# KiCad board evr-fmc.kicad_pcb (continued)
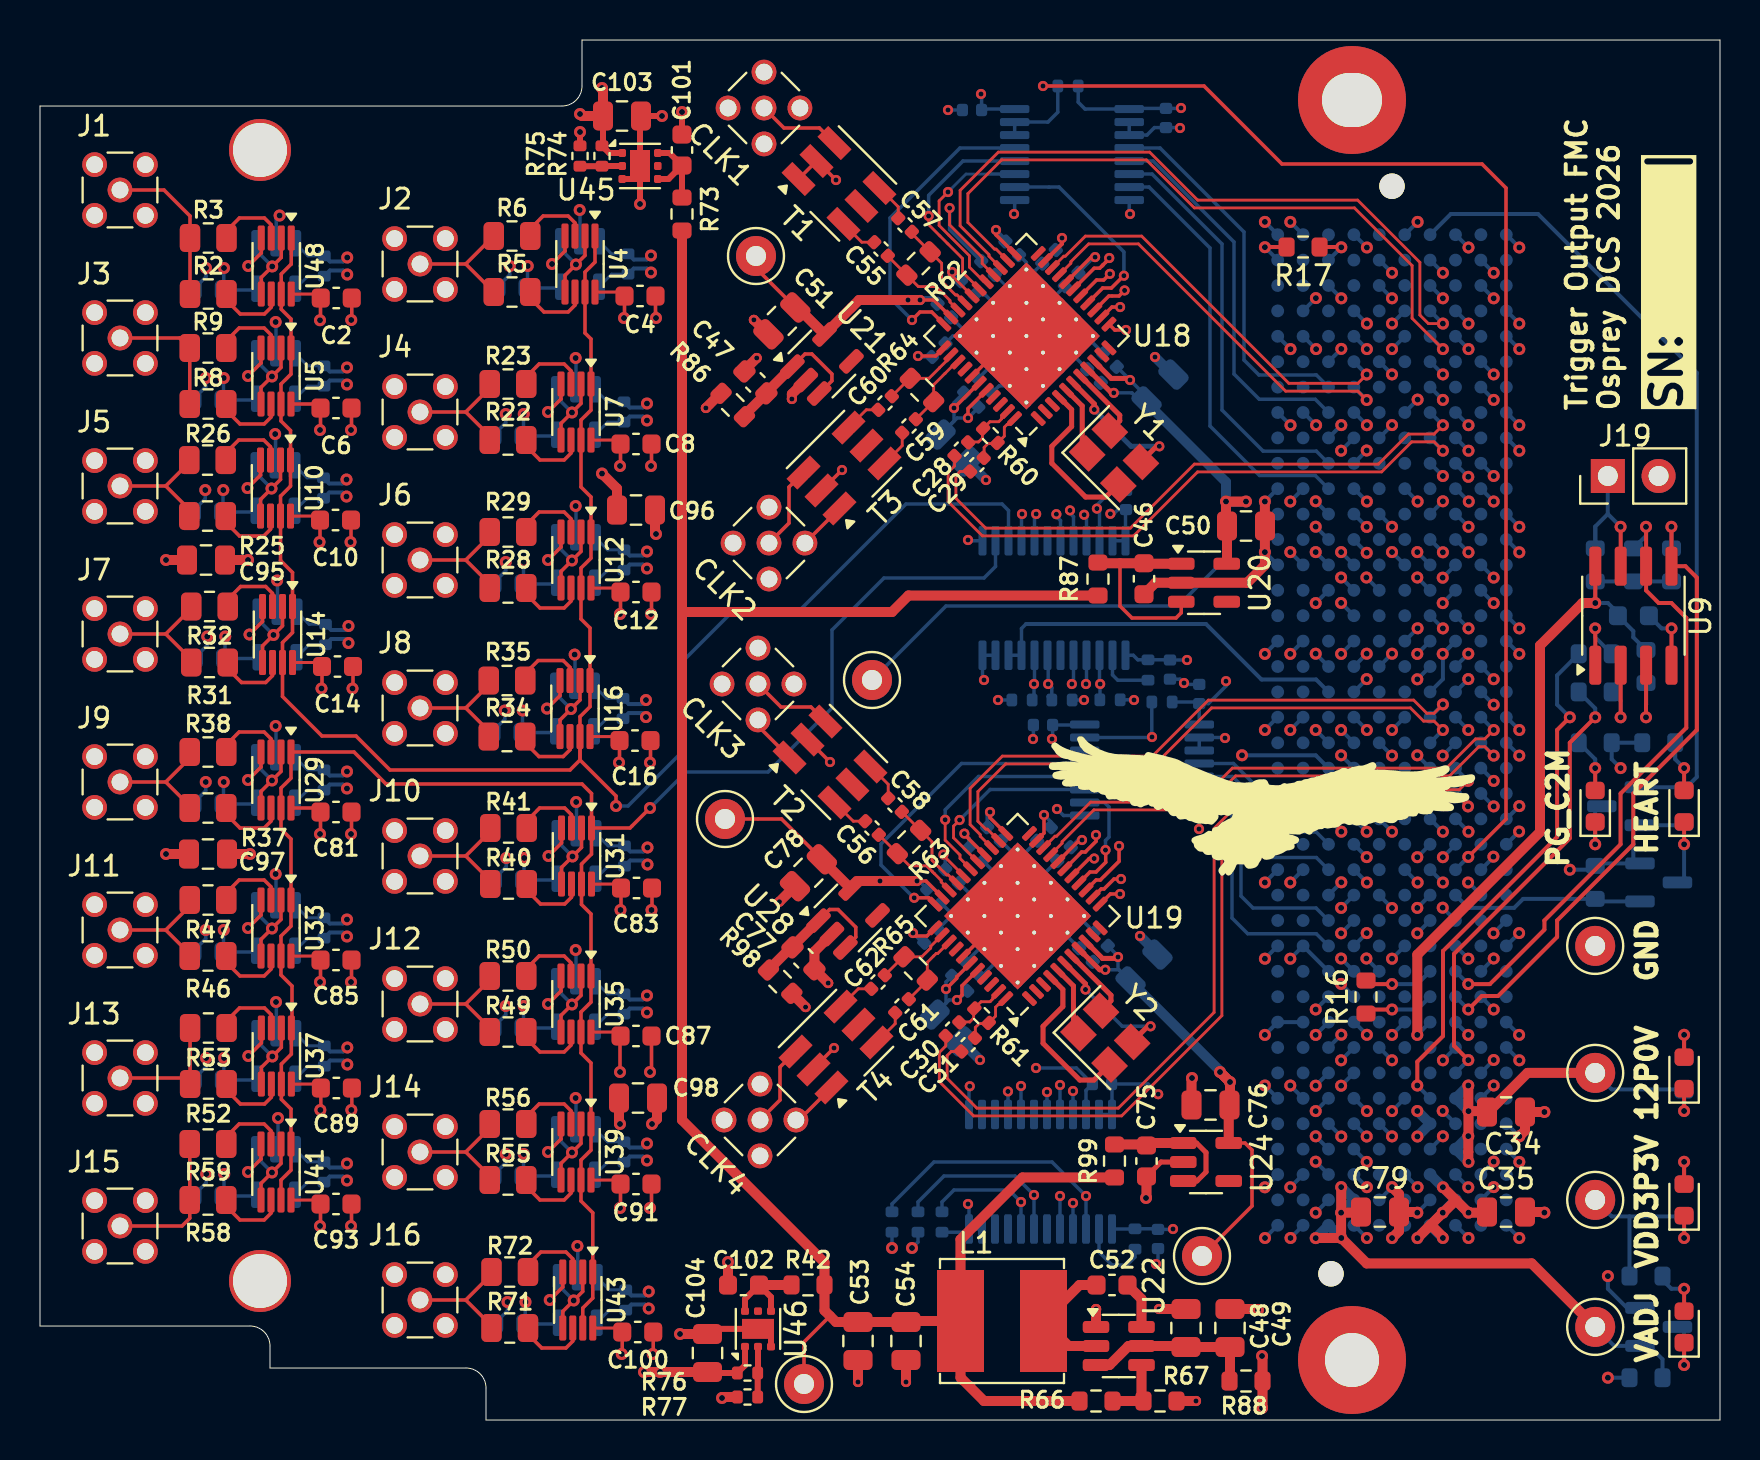
[diagram p0: board, top side]
## Routing (per net, layer and track width the routed paths; a pad name or vN(x,y) marks a point on that pad's centre or on a via; arc(x,y) is an arc through that point) (continued)
Net-(U7-1Y): length 3.6
  Top w0.175: R22.1 24.31,48.69 25,48 26.21,48 26.55,48.34 U7.6
Net-(U7-2Y): length 3.7
  Top w0.175: U7.3 26.55,52.46 26.21,52.8 24.96,52.8 24.31,52.16 R23.1
Net-(U9-A0): length 3.5
  Top w0.2: v1(77.76,39.58) 77.76,39.58 U9.1
  Bottom w0.2: v1(77.76,39.58) 77.76,39.14 R10.2
Net-(U9-A1): length 4.1
  Top w0.2: U9.2 79.03,35.14 v1(79.03,35.14)
  Bottom w0.2: R11.2 79.03,35.96 v1(79.03,35.14)
Net-(U9-A2): length 4.3
  Top w0.2: U9.3 80.31,35.78 80.3,35.77 v1(80.3,35.14)
  Bottom w0.2: v1(80.3,35.14) R12.2
Net-(U10-1A): length 4.7
  Top w0.175: U10.2 12.03,47.03 v1(11.57,46.57) 11.03,46.03 U10.5
  Bottom w0.175: U8.1 10.83,47.32 v1(11.57,46.57)
Net-(U10-1Y): length 3.6
  Top w0.175: R25.1 9.29,44.89 9.98,44.2 11.19,44.2 11.53,44.54 U10.6
Net-(U10-2Y): length 3.7
  Top w0.175: R26.1 9.29,48.35 9.93,49 11.19,49 11.53,48.66 U10.3
Net-(U12-1A): length 4.7
  Top w0.175: U12.2 27.05,43.43 v1(26.6,42.98) 26.05,42.43 U12.5
  Bottom w0.175: v1(26.6,42.98) 25.85,43.72 U11.1
Net-(U12-1Y): length 3.6
  Top w0.175: U12.6 26.55,40.94 26.21,40.6 25,40.6 24.31,41.29 R28.1
Net-(U12-2Y): length 3.7
  Top w0.175: U12.3 26.55,45.06 26.21,45.4 24.96,45.4 24.31,44.76 R29.1
Net-(U14-1A): length 4.7
  Top w0.175: U14.2 12.13,39.7 v1(11.67,39.25) 11.12,38.7 11.12,37.88
  Bottom w0.175: v1(11.67,39.25) 10.93,40 U13.1
Net-(U14-1Y): length 3.6
  Top w0.175: U14.6 11.63,37.22 11.28,36.88 10.08,36.88 9.39,37.56 R31.1
Net-(U14-2Y): length 3.7
  Top w0.175: U14.3 11.63,41.33 11.28,41.68 10.03,41.68 9.39,41.03 R32.1
Net-(U16-1A): length 4.7
  Top w0.175: U16.5 26,35 v1(26.55,35.55) 27,36 U16.2
  Bottom w0.175: v1(26.55,35.55) 25.8,36.3 U15.1
Net-(U16-1Y): length 3.6
  Top w0.175: R34.1 24.26,33.86 24.95,33.17 26.16,33.17 26.5,33.51 U16.6
Net-(U16-2Y): length 3.7
  Top w0.175: R35.1 24.26,37.33 24.91,37.97 26.16,37.97 26.5,37.63 U16.3
Net-(U18-X1): length 8.2
  Top w0.25: U18.4 51.58,50.52 51.58,49.67 50.59,48.68 50.59,47.84 52.28,46.15 53.29,46.15 Y1.2
Net-(U18-X2): length 3.7
  Top w0.25: U18.7 53.99,50.24 53.99,49.96 Y1.4
Net-(U18-XA): length 3.6
  Top w0.25: U18.5 52.11,50.7 52.11,48.58 Y1.1
Net-(U18-XB): length 7
  Top w0.25: U18.6 52.71,50.81 v2(52.71,50.52) ; v2(55.97,48.68) 55.82,48.68 Y1.3
  Bottom w0.25: v2(55.97,48.68) 54.55,48.68 v2(52.71,50.52)
Net-(U19-X1): length 8.4
  Top w0.25: U19.4 51.14,21.52 51.14,20.67 50.15,19.68 50.15,18.84 51.99,17 52.7,17 Y2.2
Net-(U19-X2): length 3.7
  Top w0.25: Y2.4 53.55,20.96 53.55,21.24 U19.7
Net-(U19-XA): length 3.6
  Top w0.25: Y2.1 51.67,19.58 51.67,21.7 U19.5
Net-(U19-XB): length 7
  Top w0.25: v2(52.27,21.52) 52.27,21.81 U19.6 ; Y2.3 55.39,19.68 v2(55.53,19.68)
  Bottom w0.175: v2(52.27,21.52) 54.11,19.68 v2(55.53,19.68)
Net-(U20-EN): length 10.3
  Top w0.175: 54,42.84 54,40.7 54.6,40.1 56.8,40.1 57.06,40.36 U20.3
  Top w0.5: R87.2 52.94,42.84 C46.1 55.22,42.81 U20.1
Net-(U21-EN): length 7.4
  Top w0.175: U21.1 38.25,53.3 38.59,53.3 39.59,52.3 39.59,51.96 U21.3
  Top w0.5: R86.2 35.22,50.24 C47.1 36.32,51.37 U21.1
Net-(U22-EN): length 8.9
  Top w0.5: U22.3 53.48,2.75 54.43,3.7 U22.5 57.25,3.7 C48.1 ; R88.2 59.5,1.97 C49.1 C48.1 ; C48.1 57.25,3.6
Net-(U22-SW): length 6.5
  Top w0.5: C52.2 51.98,6.75 L1.1 51.43,3.7 U22.2
Net-(U22-VBST): length 2.4
  Top w0.5: C52.1 55.08,6.05 U22.6
Net-(U22-VFB): length 3.4
  Top w0.5: U22.4 55.08,1.05 R67.1 R66.2
Net-(U24-EN): length 7.1
  Top w0.25: U24.3 57.85,11.95 58.3,12.4 58.3,13.37 57.82,13.85 U24.1
  Top w0.5: R99.2 55.27,13.78 C75.1 55.45,13.85 U24.1
Net-(U26-DIR): length 2.9
  Bottom w0.175: R68.1 53.89,36.99 53.62,37.26 U26.2
Net-(U27-DIR): length 3.8
  Bottom w0.175: R70.1 54.75,8.15 54.35,7.75 53.6,7.75 52.95,8.4 U27.2
Net-(U28-EN): length 7.2
  Top w0.175: U28.3 40.79,24.15 40.79,24.64 39.91,25.52 39.48,25.52 U28.1
  Top w0.5: R98.2 37.55,23.63 C77.1 37.62,23.67 U28.1
Net-(U29-1A): length 4.7
  Top w0.175: U29.2 12.05,32.43 v1(11.6,31.98) 11.05,31.43 U29.5
  Bottom w0.175: U17.1 10.85,32.72 v1(11.6,31.98)
Net-(U29-1Y): length 3.6
  Top w0.175: U29.6 11.55,29.94 11.21,29.6 10,29.6 9.31,30.29 R37.1
Net-(U29-2Y): length 3.7
  Top w0.175: R38.1 9.31,33.76 9.96,34.4 11.21,34.4 11.55,34.06 U29.3
Net-(U31-1A): length 4.7
  Top w0.175: 26.07,26.8 26.07,27.63 v1(26.62,28.18) 27.07,28.63 U31.2
  Bottom w0.175: v1(26.62,28.18) 25.88,28.92 U30.1
Net-(U31-1Y): length 3.6
  Top w0.175: U31.6 26.57,26.14 26.23,25.8 25.03,25.8 24.34,26.49 R40.1
Net-(U31-2Y): length 3.7
  Top w0.175: R41.1 24.34,29.96 24.98,30.6 26.23,30.6 26.57,30.26 U31.3
Net-(U33-1A): length 4.7
  Top w0.175: U33.2 12.05,25.03 v1(11.6,24.58) 11.05,24.03 U33.5
  Bottom w0.175: v1(11.6,24.58) 10.85,25.32 U32.1
Net-(U33-1Y): length 3.6
  Top w0.175: R46.1 9.31,22.89 10,22.2 11.21,22.2 11.55,22.54 U33.6
Net-(U33-2Y): length 3.7
  Top w0.175: R47.1 9.31,26.36 9.96,27 11.21,27 11.55,26.66 U33.3
Net-(U35-1A): length 4.7
  Top w0.175: U35.5 26.05,20.23 v1(26.6,20.78) 27.05,21.23 U35.2
  Bottom w0.175: v1(26.6,20.78) 25.85,21.52 U34.1
Net-(U35-1Y): length 3.6
  Top w0.175: U35.6 26.55,18.74 26.21,18.4 25,18.4 24.31,19.09 R49.1
Net-(U35-2Y): length 3.7
  Top w0.175: R50.1 24.31,22.56 24.96,23.2 26.21,23.2 26.55,22.86 U35.3
Net-(U37-1A): length 4.7
  Top w0.175: U37.5 11.07,17.63 v1(11.62,18.18) 12.07,18.63 U37.2
  Bottom w0.175: U36.1 10.87,18.92 v1(11.62,18.18)
Net-(U37-1Y): length 3.6
  Top w0.175: U37.6 11.57,16.14 11.23,15.8 10.02,15.8 9.33,16.49 R52.1
Net-(U37-2Y): length 3.7
  Top w0.175: R53.1 9.33,19.96 9.97,20.6 11.23,20.6 11.57,20.26 U37.3
Net-(U39-1A): length 4.7
  Top w0.175: U39.5 26.05,12.83 v1(26.6,13.38) 27.05,13.83 U39.2
  Bottom w0.175: v1(26.6,13.38) 25.85,14.12 U38.1
Net-(U39-1Y): length 3.6
  Top w0.175: R55.1 24.31,11.69 25,11 26.21,11 26.55,11.34 U39.6
Net-(U39-2Y): length 3.7
  Top w0.175: R56.1 24.31,15.16 24.96,15.8 26.21,15.8 26.55,15.46 U39.3
Net-(U41-1A): length 4.7
  Top w0.175: U41.2 12.05,12.83 v1(11.6,12.38) 11.05,11.83 U41.5
  Bottom w0.175: v1(11.6,12.38) 10.85,13.12 U40.1
Net-(U41-1Y): length 3.6
  Top w0.175: U41.6 11.55,10.34 11.21,10 10,10 9.31,10.69 R58.1
Net-(U41-2Y): length 3.7
  Top w0.175: R59.1 9.31,14.16 9.96,14.8 11.21,14.8 11.55,14.46 U41.3
Net-(U43-1A): length 4.7
  Top w0.175: U43.2 27.14,6.43 v1(26.69,5.98) 26.14,5.43 U43.5
  Bottom w0.175: v1(26.69,5.98) 25.94,6.72 U42.1
Net-(U43-1Y): length 3.6
  Top w0.175: U43.6 26.64,3.94 26.3,3.6 25.09,3.6 24.4,4.29 R71.1
Net-(U43-2Y): length 3.7
  Top w0.175: U43.3 26.64,8.06 26.3,8.4 25.04,8.4 24.4,7.76 R72.1
Net-(U45-EN): length 4.6
  Top w0.3: C101.1 31.47,63.35 U45.6 ; C101.1 31.43,62.05 U45.4 ; C101.1 R73.2
Net-(U45-FB): length 2.1
  Top w0.3: R74.2 R75.1 28.11,62.7 U45.2
Net-(U46-EN): length 4.8
  Top w0.3: U46.4 36.55,6.15 C102.1 35.25,6.05 U46.6
  Top w0.5: C102.1 37.57,6.75 R42.2
Net-(U46-FB): length 2.5
  Top w0.3: U46.2 35.9,2.37 R76.1 R77.2
Net-(U48-1A): length 4.7
  Top w0.175: U48.5 11.06,57.13 v1(11.61,57.68) 12.06,58.13 U48.2
  Bottom w0.175: U1.1 10.86,58.42 v1(11.61,57.68)
Net-(U48-1Y): length 3.6
  Top w0.175: U48.6 11.56,55.64 11.22,55.3 10.01,55.3 9.33,55.99 R2.1
Net-(U48-2Y): length 3.7
  Top w0.175: R3.1 9.33,59.46 9.97,60.1 11.22,60.1 11.56,59.76 U48.3

## Copper pours and planes (outline as drawn; the poured copper is in the pictures)
+12V_FMC on In5.Cu: 69.5,20.1 69.5,12.3 63.2,6 37.5,6 37.5,0 84,0.01 84,20.1
/Digital IO/VCC_A on In5.Cu: 0,69 0,32.52 31.5,32.51 31.5,69
/Digital IO/VCC_B on In5.Cu: 0,32.29 0,0 31.5,-0.01 31.5,32.29
GND on In1.Cu, In3.Cu, In6.Cu: 84,0 84,69 27.1,69 27.1,66.8 26.1,65.7 0,65.7 0,4.7 10.5,4.7 11.5,3.9 11.5,2.6 21.3,2.6 22.3,1.7 22.3,0
VDD3P3V on In4.Cu: 83.93,0.08 83.93,69 -0.04,69 -0.04,0.08
VADJ on In5.Cu: 37.41,69 37.41,6.41 63,6.41 69,12.41 69,69

## Text on the board
B.Fab: R21
B.Silkscreen: Trigger Output FMC / Osprey DCS 2026 | SN:		|
User.Comments: F.Silkscreen | F.Paste | F.Mask | F.Cu | Dielectric 1 | In1.Cu | Dielectric 2 | In2.Cu | Dielectric 3 | In3.Cu | Dielectric 4 | In4.Cu | Dielectric 5 | In5.Cu | Dielectric 6 | In6.Cu | Dielectric 7 | B.Cu | B.Mask | B.Paste | B.Silkscreen | Top Silk Screen | Top Solder Paste | Top Solder Mask | copper | prepreg | core | Bottom Solder Mask | Bottom Solder Paste | Bottom Silk Screen | Not specified | FR4 - 2113x2 | FR4 | 0 mm | 0.01 mm | 0.035 mm | 0.1525 mm | 0.23 mm | White | Green | 1 | 3.3 | 4.3 | 0 | 0.02 | Layer Name | Type | Material | Thickness (mm) | Color | Epsilon R | Loss Tangent
F.Silkscreen: Trigger Output FMC / Osprey DCS 2026 | PG_C2M | HEART | GND | 12P0V | VDD3P3V | VADJ | SN:		|
